# Altium PCB Copy of 室内环境检测系统.PcbDoc
Units mm, origin at the board's own origin, x right, y up, seen from the top; angles counter-clockwise.
Board outline 91.44 x 70.1 mm, 2 copper layers (Top Layer, Bottom Layer); 29 components, 27 nets, 111 pads, 1 vias.
Unrouted connection lines stored in the file: 16.
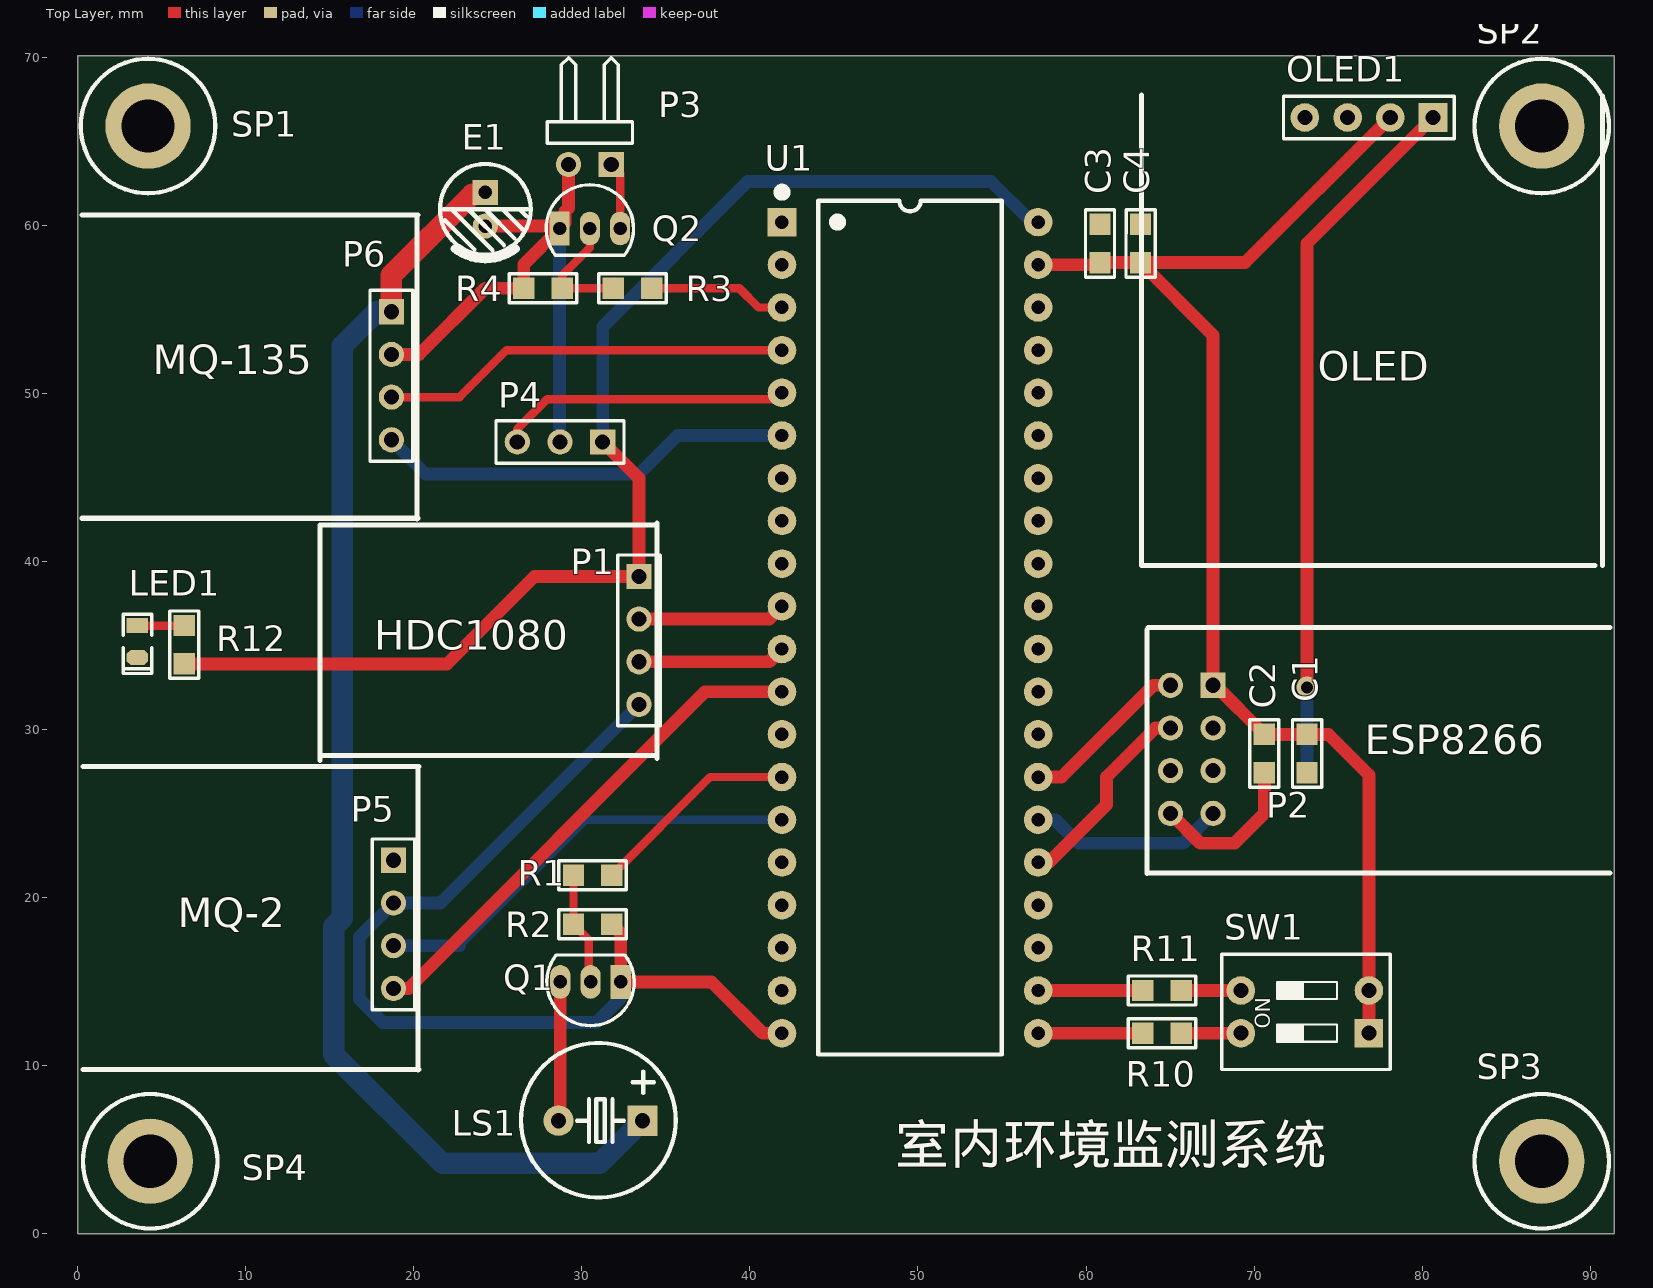
[diagram p0: Top Layer view]
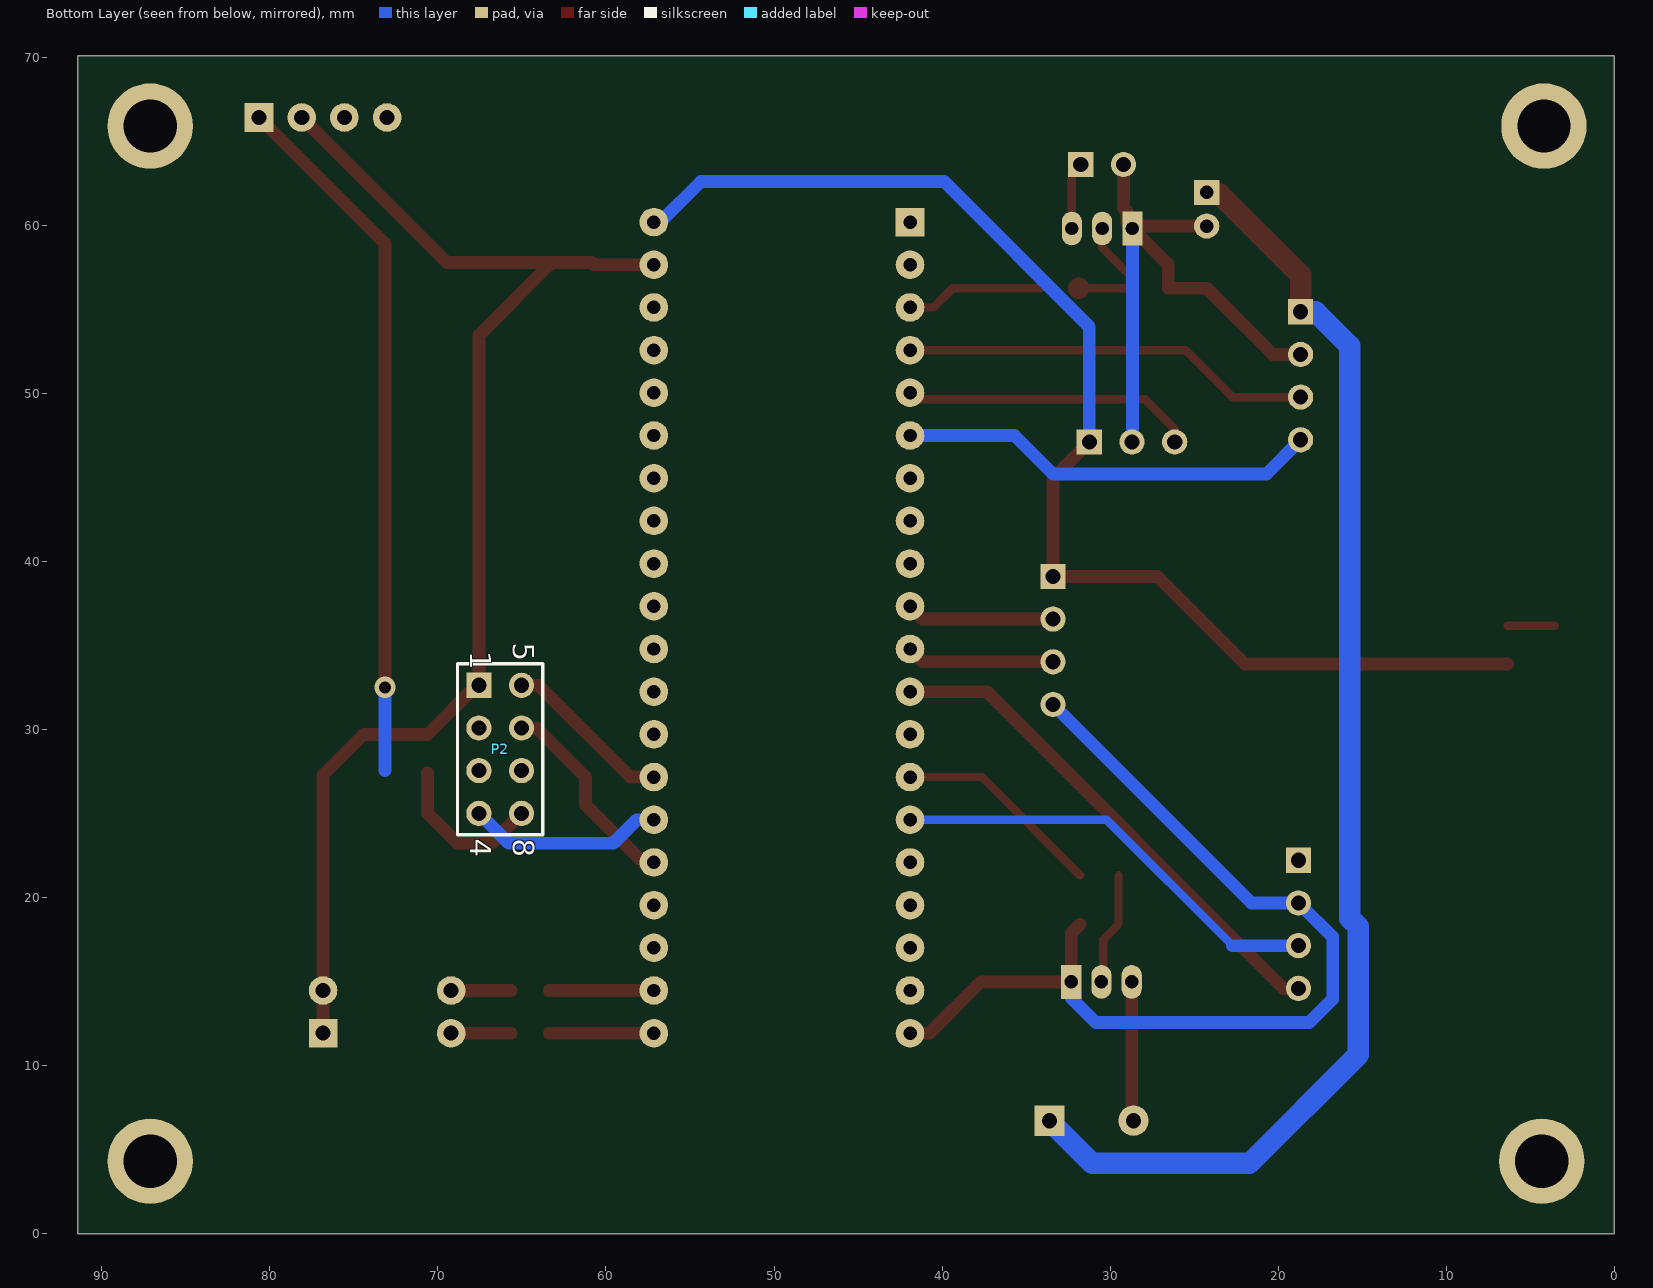
[diagram p1: Bottom Layer view, seen from below]

## Layer stack, top to bottom
Top Solder: solder mask 0.0102, Solder Resist, Dk 3.5
Top Layer: signal copper 0.0356
Dielectric 1: dielectric 0.32, FR-4, Dk 4.8
Bottom Layer: signal copper 0.0356
Bottom Solder: solder mask 0.0102, Solder Resist, Dk 3.5

## Board outline
0,0 0,70.104 91.44,70.104 91.44,0

## Design rules (kind name [scope] priority, off if disabled: settings)
Clearance Clearance_GND [All] p1: gap=0.5 ignorepadtopadclearanceinfootprint=FALSE
Clearance [All] p2: gap=0.4 ignorepadtopadclearanceinfootprint=FALSE
PolygonConnect [All] p1: connectstyle=Relief reliefconductorwidth=0.254 reliefentries=4 polygonreliefangle="90 Angle" airgapwidth=0.254
RoutingVias [All] p1: holewidth=0.711 width=1.27 viastyle="Through Hole" minholewidth=0.711 minwidth=1.27 maxholewidth=0.711 maxwidth=1.27
SolderMaskExpansion [All] p1: expansion=0.102
Width [All] p1: maxlimit=1.778 minlimit=0.5 preferedwidth=0.762
30 further rules are at their usual default settings.

## Classes and differential pairs
component class 室内环境检测系统: C1 C2 C3 C4 E1 LS1 OLED1 P1 P2 P4 P5 P6 Q1 Q2 R1 R2 R3 R4 R10 R11 SP1 SP2 SP3 SP4 SW1 U1

## Components (designator, comment, footprint, x,y, rotation, side; value= is the part's Value field where it differs from the comment)
C1 "10uf" "R 0805_M" 73.152,28.575 r90 top
C2 "103" "R 0805_M" 70.612,28.575 r90 top
C3 "10uf" "R 0805_M" 60.833,58.928 r270 top
C4 "103" "R 0805_M" 63.246,58.928 r270 top
E1 "470uF/16V" "CAP 2.0*5*11 - BK" 24.257,60.96 r270 top
LED1 "红色" "LED 0805R" 3.556,35.24 r270 top
LS1 "DC5V" "BEEP 5x9x5.5" 31.115,6.731 r90 top
OLED1 "HDR-1X4" HDR2.54-M-LI-4P 76.835,66.421 r180 top
P1 "HDC1080" HDR1X4 33.401,39.116 r270 top
P2 "ESP-01S" HDR2X4_CEN 67.564,32.639 r270 bottom
P3 "Fan" HDR1X2H 31.75,63.627 r180 top
P4 "TEMT6000" HDR1X3 31.242,47.117 r180 top
P5 "MQ-2" HDR1X4 18.796,22.225 r270 top
P6 "MQ-135" HDR1X4 18.669,54.864 r270 top
Q1 "SS8050" TO92A 30.52,14.986 r90 top
Q2 "SS8050" TO92A 30.48,59.817 r270 top
R1 "1K" "R 0805_M" 30.647,21.336 r180 top
R2 "4.7K" "R 0805_M" 30.647,18.415 r180 top
R3 "1K" "R 0805_M" 33.02,56.261 r180 top
R4 "4.7K" "R 0805_M" 27.686,56.261 r0 top
R10 "1K" "R 0805_M" 64.516,11.938 r180 top
R11 "1K" "R 0805_M" 64.516,14.478 r180 top
R12 "510R" "R 0805_M" 6.35,35.052 r270 top
SP1 "M3铜柱" M3x4_L 4.191,65.913 r0 top
SP2 "M3铜柱" M3x4_L 87.122,65.913 r0 top
SP3 "M3铜柱" M3x4_L 87.122,4.318 r0 top
SP4 "M3铜柱" M3x4_L 4.318,4.318 r0 top
SW1 "CSW-2P" "CSW DIP-2P" 73.025,13.208 r90 top
U1 "STM32F103C8T6核心板" DIP40-600_MH 49.53,36.068 r0 top

## Footprints (in the part's own frame and the unit in brackets; to place one, negate y for a bottom-side part, rotate by r counter-clockwise, add the part's x,y. Pads: shape width x height; smd on the part's side, far side on the other; paste and mask are expansions set on the pad)
"BEEP 5x9x5.5" [mm] "5*9*5.5mm(脚距,直径,高度)"
  rect 1.8x1.8 hole 0.9: 1(0,-2.5)
  round 1.8 hole 0.9: 2(0,2.5)
  silkscreen extent -4.57,-4.47 4.62,4.73, body extent -4.5,-4.5 4.5,4.5, height 5.45
"CAP 2.0*5*11 - BK" [mm] "脚距2mm直径5mm高度11mm"
  rect 1.5x1.5 hole 0.8: A(-1,0)
  round 1.5 hole 0.8: K(1,0)
  silkscreen extent -2.7,-2.7 2.96,2.7, body extent -2.5,-2.5 2.51,2.5, height 11.04
"CSW DIP-2P" [mm] "6.6*9.9*7mm"
  rect 1.7x1.7 hole 0.9: 1(-1.27,-3.81)
  round 1.7 hole 0.9: 2(1.27,-3.81) 3(1.27,3.81) 4(-1.27,3.81)
  silkscreen extent -3.43,-5.08 3.43,4.95, body extent -3.32,-4.95 3.32,4.95, height 6.65
DIP40-600_MH [mm] "带底座 52*15.2*4mm(长宽高)"
  rect 1.7x1.7 hole 0.8: 1(-7.62,24.13)
  round 1.7 hole 0.8: 2(-7.62,21.59) 3(-7.62,19.05) 4(-7.62,16.51) 5(-7.62,13.97) 6(-7.62,11.43) 7(-7.62,8.89) 8(-7.62,6.35) 9(-7.62,3.81) 10(-7.62,1.27) 11(-7.62,-1.27) 12(-7.62,-3.81) 13(-7.62,-6.35) 14(-7.62,-8.89) 15(-7.62,-11.43) 16(-7.62,-13.97) 17(-7.62,-16.51) 18(-7.62,-19.05) 19(-7.62,-21.59) 20(-7.62,-24.13) 21(7.62,-24.13) 22(7.62,-21.59) 23(7.62,-19.05) 24(7.62,-16.51) 25(7.62,-13.97) 26(7.62,-11.43) 27(7.62,-8.89) 28(7.62,-6.35) 29(7.62,-3.81) 30(7.62,-1.27) 31(7.62,1.27) 32(7.62,3.81) 33(7.62,6.35) 34(7.62,8.89) 35(7.62,11.43) 36(7.62,13.97) 37(7.62,16.51) 38(7.62,19.05) 39(7.62,21.59) 40(7.62,24.13)
  silkscreen extent -7.87,-25.4 5.46,26.16, body extent -8.9,-26.18 8.9,26.18, height 8.3
HDR1X2H [mm] "Connector; Header; 2 Position; Right Angle"
  rect 1.5x1.5 hole 0.9: 1(0,0)
  round 1.5 hole 0.9: 2(2.54,0)
  silkscreen extent -1.27,-6.35 3.81,-1.27
HDR1X3 [mm] "Connector; Header; 3 Position"
  rect 1.5x1.5 hole 0.9: 1(0,0)
  round 1.5 hole 0.9: 2(2.54,0) 3(5.08,0)
  silkscreen extent -1.27,-1.27 6.35,1.27
HDR1X4 [mm] "Connector; Header; 4 Position"
  rect 1.5x1.5 hole 0.9: 1(0,0)
  round 1.5 hole 0.9: 2(2.54,0) 3(5.08,0) 4(7.62,0)
  silkscreen extent -1.27,-1.27 8.89,1.27
HDR2.54-M-LI-4P [mm] "排母，4脚"
  rect 1.7x1.7 hole 0.9: 1(-3.81,0)
  round 1.7 hole 0.9: 2(-1.27,0) 3(1.27,0) 4(3.81,0)
  silkscreen extent -5.08,-1.27 5.08,1.27, body extent -5.08,-1.27 5.08,1.27, height 8.5
HDR2X4_CEN [mm] "Connector; Header; 4x2 Position"
  rect 1.5x1.5 hole 0.9: 1(0,0)
  round 1.5 hole 0.9: 2(2.54,0) 3(5.08,0) 4(7.62,0) 5(0,2.54) 6(2.54,2.54) 7(5.08,2.54) 8(7.62,2.54)
  silkscreen extent -1.27,-1.27 8.89,3.81
"LED 0805R" [mil] "红色0805LED"
  rect 35x50 smd: 1(-37.41,0)
  oct 35x50 smd: 2(37.4,0)
  silkscreen extent -64,-33 75,33, body extent -39,-25 39,25, height 32
M3x4_L [mm] "M3铜柱，长：4mm"
  round 5.08 hole 3.175: 1(0,0)
  silkscreen extent -4,-4 4,4, body extent -2.7,-2.35 2.7,2.35, height 4.05
"R 0805_M" [mil] "1/8W贴片电阻"
  rect 50x50 smd: 1(-45.01,-0.01) 2(45,0)
  silkscreen extent -79,-34 79,34, body extent -39,-25 39,25, height 20
TO92A [mm] "92晶体管"
  rect 2x1.2 hole 0.8: 1(0,-1.8)
  oval 2x1.2 hole 0.8: 2(0,0) 3(0,1.8)
  silkscreen extent -2.6,-2.6 1.6,2.6, body extent -2.3,-2.3 1.3,2.3, height 7.6

## Part data
C1 C2 C3 C4: library part C-CC, "直插瓷片电容"
E1: library part C-CAP, "直插电解电容"
LED1: library part LED-SMD, "贴片LED", BOM名称=贴片LED, 学习资源=www.ooocke.com, 版权归属=源创客
LS1: library part BEEP, "蜂鸣器"
OLED1: library part "Header 4", "4P接插件"
P1 P5 P6: library part "Header 4", "Header, 4-Pin", LatestRevisionDate=17-Jul-2002, LatestRevisionNote="Re-released for DXP Platform.", Publisher="Altium Limited"
P2: library part "Header 4X2A", "Header, 4-Pin, Dual row", LatestRevisionDate=17-Jul-2002, LatestRevisionNote="Re-released for DXP Platform.", Publisher="Altium Limited"
P3: library part "Header 2H", "Header, 2-Pin, Right Angle", LatestRevisionDate=17-Jul-2002, LatestRevisionNote="Re-released for DXP Platform.", Publisher="Altium Limited"
P4: library part "Header 3", "Header, 3-Pin", LatestRevisionDate=17-Jul-2002, LatestRevisionNote="Re-released for DXP Platform.", Publisher="Altium Limited"
Q1 Q2: library part 8050-DIP, "高频放大-NPN型"
R1 R2 R3 R4 R10 R11 R12: library part R-CRR, "直插色环电阻"
SP1 SP2 SP3 SP4: library part 铜柱小焊盘, "铜柱"
SW1: "2路编码开关"

## Via types
v1: diameter 1.27, hole 0.711, Top Layer to Bottom Layer, 1 vias

## Nets (pads, with @x,y where several pads share a name; then routed paths per layer and width w, separated by ;. In a path a pad name is that pad's centre, name@x,y a point inside that pad or via, vN(x,y) a via of type N, cw(c..) or ccw(c..) an arc to the next point about the centre after c; other vN are vias at no path point)
+3.3: C1.1 C2.1 C3.1 C4.1 OLED1.1 P1.1 P2.8 P4.1 R12.2 U1.40 | length 126.9
  Top Layer w0.762: R12.2 21.971,33.909 27.178,39.116 P1.1 33.401,44.958 P4.1 ; P2.8 66.802,23.241 68.834,23.241 70.612,25.019 C2.1 ; v1(73.152,32.512) 73.152,58.928 OLED1.1
  Bottom Layer w0.762: P4.1 31.242,53.975 39.878,62.611 54.356,62.611 56.769,60.198 U1.40 ; 73.152,27.559 v1(73.152,32.512)
+5: E1.A LS1.1 P5.1 P6.1 U1.38 | length 78
  Top Layer w1.27: P6.1 18.669,57.038 23.476,61.845 24.142,61.845 E1.A
  Bottom Layer w1.27: P6.1 17.78,54.864 15.748,52.832 15.748,18.781 15.248,18.281 15.248,10.66 21.717,4.191 31.075,4.191 LS1.1
AO2: P5.4 U1.12 | length 30.4
  Top Layer w0.762: P5.4 19.685,14.605 37.338,32.258 U1.12
AO135: P6.4 U1.6 | length 25
  Bottom Layer w0.762: P6.4 20.701,45.212 33.401,45.212 35.687,47.498 U1.6
BEEP: R1.1 U1.14 | length 12.5
  Top Layer w0.5: R1.1 37.632,27.178 U1.14
DO2: P5.3 U1.15 | length 26.2
  Bottom Layer w0.5: 22.733,17.145 30.226,24.638 U1.15
  Bottom Layer w0.762: P5.3 22.733,17.145
DO135: P6.3 U1.4 | length 24.4
  Top Layer w0.5: P6.3 22.733,49.784 25.527,52.578 U1.4
ESP_CE: P2.6 U1.25 | length 12.2
  Top Layer w0.762: U1.25 57.785,22.098 61.214,25.527 61.214,27.178 64.135,30.099 P2.6
FAN: R3.1 U1.3 | length 8.2
  Top Layer w0.5: R3.1 39.37,56.261 40.513,55.118 U1.3
GND: C1.2 C2.2 C3.2 C4.2 E1.K OLED1.2 P1.4 P2.1 P3.2 P4.2 P5.2 P6.2 Q1.1 Q2.1 R2.1 R4.1 SW1.1 SW1.2 U1.20 U1.39 | length 171.8
  Top Layer w0.762: P6.2 20.32,52.324 24.257,56.261 R4.1 26.543,57.68 Q2.1 ; E1.K 28.537,59.96 Q2.1 ; P3.2 29.21,61.041 28.999,60.83 28.999,60.136 Q2.1 ; R2.1 32.32,17.885 Q1.1 37.719,14.986 40.767,11.938 U1.20 ; U1.39 60.706,57.658 C3.2 C4.2 ; SW1.1 SW1.2 76.835,27.305 74.422,29.718 C1.2 C2.2 67.691,32.639 P2.1 67.564,53.467 C4.2 ; OLED1.2 69.469,57.785 C4.2
  Bottom Layer w0.762: Q2.1 28.68,47.139 P4.2 ; Q1.1 32.32,14.032 30.861,12.573 18.161,12.573 16.764,13.97 16.764,17.653 P5.2 21.59,19.685 P1.4
HSCL: P1.3 U1.11 | length 8.8
  Top Layer w0.762: P1.3 41.148,34.036 U1.11
HSDA: P1.2 U1.10 | length 8.8
  Top Layer w0.762: P1.2 41.148,36.576 U1.10
LIGHT: P4.3 U1.5 | length 17.4
  Top Layer w0.5: P4.3 26.162,47.879 27.94,49.657 41.529,49.657 U1.5
NetLED1_1: LED1.1 R12.1 | length 2.8
  Top Layer w0.5: LED1.1 6.345,36.19 R12.1
NetLED1_2: LED1.2 U1.16
NetLS1_2: LS1.2 Q1.3 | length 8.3
  Top Layer w0.762: LS1.2 28.72,6.836 Q1.3
NetP3_2: P3.1 Q2.3 | length 4
  Top Layer w0.5: P3.1 32.28,63.097 Q2.3
NetQ1_2: Q1.2 R1.2 R2.2 | length 6.8
  Top Layer w0.5: R1.2 R2.2 30.405,17.514 30.405,15.101 Q1.2
NetQ2_2: Q2.2 R3.2 R4.2 | length 7.3
  Top Layer w0.5: Q2.2 30.48,58.674 28.829,57.023 R4.2 R3.2
NetR10_1: R10.1 SW1.4 | length 3.6
  Top Layer w0.762: R10.1 SW1.4
NetR11_1: R11.1 SW1.3 | length 3.6
  Top Layer w0.762: R11.1 SW1.3
RX1: P2.5 U1.27 | length 10.1
  Top Layer w0.762: U1.27 58.547,27.178 64.008,32.639 P2.5
SCL: OLED1.3 U1.34
SDA: OLED1.4 U1.35
SW1: R10.2 U1.21 | length 6.2
  Top Layer w0.762: U1.21 R10.2
SW2: R11.2 U1.22 | length 6.2
  Top Layer w0.762: U1.22 R11.2
TX1: P2.4 U1.26 | length 11.7
  Bottom Layer w0.762: U1.26 58.166,24.638 59.563,23.241 65.786,23.241 P2.4
pads on no net: P2.2 P2.3 P2.7 SP1.1 SP2.1 SP3.1 SP4.1 U1.1 U1.2 U1.7 U1.8 U1.9 U1.13 U1.17 U1.18 U1.19 U1.23 U1.24 U1.28 U1.29 U1.30 U1.31 U1.32 U1.33 U1.36 U1.37

## Silkscreen, mask and mechanical layers (free items; w line width, h text height)
Top Overlay:
  lines w0.3: 0.254,42.575 20.254,42.575 ; 0.254,60.609 20.254,60.609 ; 0.32,9.779 20.32,9.779 ; 0.32,27.813 20.32,27.813 ; 14.417,28.164 14.417,42.164 34.417,42.164 ; 14.417,28.448 34.417,28.448 ; 20.193,42.545 20.193,60.545 ; 20.259,9.749 20.259,27.749 ; 34.483,28.291 34.483,42.291 ; 63.297,67.751 63.297,39.751 90.297,39.751 ; 63.627,21.441 63.627,35.941 ; 63.686,21.463 91.186,21.463 ; 63.686,36.068 91.186,36.068 ; 90.729,39.751 90.729,67.691
  text "MQ-135" at 4.459,50.546 h3
  text "OLED" at 73.787,50.165 h3
  text "HDC1080" at 17.653,34.163 h3
  text "ESP8266" at 76.581,27.94 h3
  text "MQ-2" at 5.969,17.653 h3
  text "室内环境监测系统" at 48.641,3.429 h4

## Text inside footprints (layer, text, board x,y; h text height)
P2: Bottom Overlay "5" at 65.532,35.179 h1.27 r90; Bottom Overlay "1" at 68.072,34.671 h1.27 r90; Bottom Overlay "4" at 68.072,23.495 h1.27 r90; Bottom Overlay "8" at 65.532,23.495 h1.27 r90
SW1: Top Overlay "ON" at 71.247,12.192 h1.52 r90